# KiCad board interposer.kicad_pcb
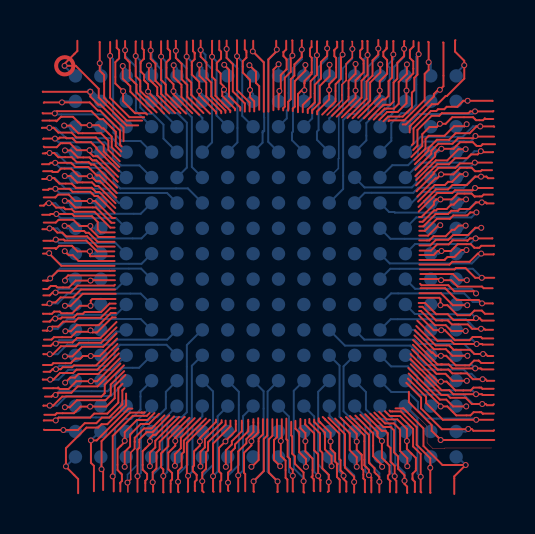
[diagram p0: board, top side]
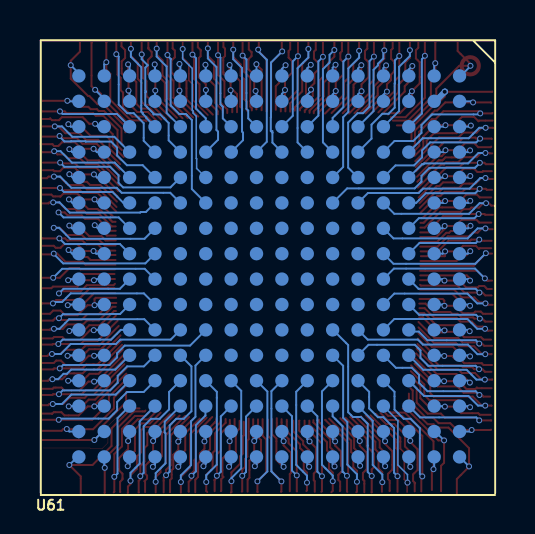
[diagram p1: board, bottom side, seen from below]

No outline. copper layers: Top, Bottom. Coordinates in mm from the lowest, leftmost part position.

## Placement (name value [footprint] x y rotation side)
U61  VL82C420  [BGA-256]  0 0 180 bottom

## Footprints (pads in the part's own frame, mm; a bottom-side part is the same pattern mirrored in y, then rotated)
BGA-256
  round 0.67 smd: A1(9.525,9.525) A2(9.525,8.255) A3(9.525,6.985) A4(9.525,5.715) A5(9.525,4.445) A6(9.525,3.175) A7(9.525,1.905) A8(9.525,0.635) A9(9.525,-0.635) A10(9.525,-1.905) A11(9.525,-3.175) A12(9.525,-4.445) A13(9.525,-5.715) A14(9.525,-6.985) A15(9.525,-8.255) A16(9.525,-9.525) B1(8.255,9.525) B2(8.255,8.255) B3(8.255,6.985) B4(8.255,5.715) B5(8.255,4.445) B6(8.255,3.175) B7(8.255,1.905) B8(8.255,0.635) B9(8.255,-0.635) B10(8.255,-1.905) B11(8.255,-3.175) B12(8.255,-4.445) B13(8.255,-5.715) B14(8.255,-6.985) B15(8.255,-8.255) B16(8.255,-9.525) C1(6.985,9.525) C2(6.985,8.255) C3(6.985,6.985) C4(6.985,5.715) C5(6.985,4.445) C6(6.985,3.175) C7(6.985,1.905) C8(6.985,0.635) C9(6.985,-0.635) C10(6.985,-1.905) C11(6.985,-3.175) C12(6.985,-4.445) C13(6.985,-5.715) C14(6.985,-6.985) C15(6.985,-8.255) C16(6.985,-9.525) D1(5.715,9.525) D2(5.715,8.255) D3(5.715,6.985) D4(5.715,5.715) D5(5.715,4.445) D6(5.715,3.175) D7(5.715,1.905) D8(5.715,0.635) D9(5.715,-0.635) D10(5.715,-1.905) D11(5.715,-3.175) D12(5.715,-4.445) D13(5.715,-5.715) D14(5.715,-6.985) D15(5.715,-8.255) D16(5.715,-9.525) E1(4.445,9.525) E2(4.445,8.255) E3(4.445,6.985) E4(4.445,5.715) E5(4.445,4.445) E6(4.445,3.175) E7(4.445,1.905) E8(4.445,0.635) E9(4.445,-0.635) E10(4.445,-1.905) E11(4.445,-3.175) E12(4.445,-4.445) E13(4.445,-5.715) E14(4.445,-6.985) E15(4.445,-8.255) E16(4.445,-9.525) F1(3.175,9.525) F2(3.175,8.255) F3(3.175,6.985) F4(3.175,5.715) F5(3.175,4.445) F6(3.175,3.175) F7(3.175,1.905) F8(3.175,0.635) F9(3.175,-0.635) F10(3.175,-1.905) F11(3.175,-3.175) F12(3.175,-4.445) F13(3.175,-5.715) F14(3.175,-6.985) F15(3.175,-8.255) F16(3.175,-9.525) G1(1.905,9.525) G2(1.905,8.255) G3(1.905,6.985) G4(1.905,5.715) G5(1.905,4.445) G6(1.905,3.175) G7(1.905,1.905) G8(1.905,0.635) G9(1.905,-0.635) G10(1.905,-1.905) G11(1.905,-3.175) G12(1.905,-4.445) G13(1.905,-5.715) G14(1.905,-6.985) G15(1.905,-8.255) G16(1.905,-9.525) H1(0.635,9.525) H2(0.635,8.255) H3(0.635,6.985) H4(0.635,5.715) H5(0.635,4.445) H6(0.635,3.175) H7(0.635,1.905) H8(0.635,0.635) H9(0.635,-0.635) H10(0.635,-1.905) H11(0.635,-3.175) H12(0.635,-4.445) H13(0.635,-5.715) H14(0.635,-6.985) H15(0.635,-8.255) H16(0.635,-9.525) J1(-0.635,9.525) J2(-0.635,8.255) J3(-0.635,6.985) J4(-0.635,5.715) J5(-0.635,4.445) J6(-0.635,3.175) J7(-0.635,1.905) J8(-0.635,0.635) J9(-0.635,-0.635) J10(-0.635,-1.905) J11(-0.635,-3.175) J12(-0.635,-4.445) J13(-0.635,-5.715) J14(-0.635,-6.985) J15(-0.635,-8.255) J16(-0.635,-9.525) K1(-1.905,9.525) K2(-1.905,8.255) K3(-1.905,6.985) K4(-1.905,5.715) K5(-1.905,4.445) K6(-1.905,3.175) K7(-1.905,1.905) K8(-1.905,0.635) K9(-1.905,-0.635) K10(-1.905,-1.905) K11(-1.905,-3.175) K12(-1.905,-4.445) K13(-1.905,-5.715) K14(-1.905,-6.985) K15(-1.905,-8.255) K16(-1.905,-9.525) L1(-3.175,9.525) L2(-3.175,8.255) L3(-3.175,6.985) L4(-3.175,5.715) L5(-3.175,4.445) L6(-3.175,3.175) L7(-3.175,1.905) L8(-3.175,0.635) L9(-3.175,-0.635) L10(-3.175,-1.905) L11(-3.175,-3.175) L12(-3.175,-4.445) L13(-3.175,-5.715) L14(-3.175,-6.985) L15(-3.175,-8.255) L16(-3.175,-9.525) M1(-4.445,9.525) M2(-4.445,8.255) M3(-4.445,6.985) M4(-4.445,5.715) M5(-4.445,4.445) M6(-4.445,3.175) M7(-4.445,1.905) M8(-4.445,0.635) M9(-4.445,-0.635) M10(-4.445,-1.905) M11(-4.445,-3.175) M12(-4.445,-4.445) M13(-4.445,-5.715) M14(-4.445,-6.985) M15(-4.445,-8.255) M16(-4.445,-9.525) N1(-5.715,9.525) N2(-5.715,8.255) N3(-5.715,6.985) N4(-5.715,5.715) N5(-5.715,4.445) N6(-5.715,3.175) N7(-5.715,1.905) N8(-5.715,0.635) N9(-5.715,-0.635) N10(-5.715,-1.905) N11(-5.715,-3.175) N12(-5.715,-4.445) N13(-5.715,-5.715) N14(-5.715,-6.985) N15(-5.715,-8.255) N16(-5.715,-9.525) P1(-6.985,9.525) P2(-6.985,8.255) P3(-6.985,6.985) P4(-6.985,5.715) P5(-6.985,4.445) P6(-6.985,3.175) P7(-6.985,1.905) P8(-6.985,0.635) P9(-6.985,-0.635) P10(-6.985,-1.905) P11(-6.985,-3.175) P12(-6.985,-4.445) P13(-6.985,-5.715) P14(-6.985,-6.985) P15(-6.985,-8.255) P16(-6.985,-9.525) R1(-8.255,9.525) R2(-8.255,8.255) R3(-8.255,6.985) R4(-8.255,5.715) R5(-8.255,4.445) R6(-8.255,3.175) R7(-8.255,1.905) R8(-8.255,0.635) R9(-8.255,-0.635) R10(-8.255,-1.905) R11(-8.255,-3.175) R12(-8.255,-4.445) R13(-8.255,-5.715) R14(-8.255,-6.985) R15(-8.255,-8.255) R16(-8.255,-9.525) T1(-9.525,9.525) T2(-9.525,8.255) T3(-9.525,6.985) T4(-9.525,5.715) T5(-9.525,4.445) T6(-9.525,3.175) T7(-9.525,1.905) T8(-9.525,0.635) T9(-9.525,-0.635) T10(-9.525,-1.905) T11(-9.525,-3.175) T12(-9.525,-4.445) T13(-9.525,-5.715) T14(-9.525,-6.985) T15(-9.525,-8.255) T16(-9.525,-9.525)

## Nets
GND: U61.A1 U61.A16 U61.C8 U61.C10 U61.F11 U61.H13 U61.J2 U61.K14 U61.P8 U61.T1 U61.T16
32kHz: U61.T10
AEN: U61.G16
BALE: U61.K15
BIOS_CE#: U61.G15
Chipset_CLK: U61.R15
CPU_A2: U61.N7
CPU_A3: U61.T7
CPU_A4: U61.R7
CPU_A5: U61.P7
CPU_A6: U61.N6
CPU_A7: U61.T6
CPU_A8: U61.R6
CPU_A9: U61.P6
CPU_A10: U61.M6
CPU_A11: U61.T5
CPU_A12: U61.R5
CPU_A13: U61.P5
CPU_A14: U61.T4
CPU_A15: U61.R4
CPU_A16: U61.N5
CPU_A17: U61.P4
CPU_A18: U61.T3
CPU_A19: U61.R3
CPU_A20: U61.P3
CPU_A20M#: U61.H3
CPU_A21: U61.T2
CPU_A22: U61.R1
CPU_A23: U61.N4
CPU_A24: U61.P2
CPU_A25: U61.P1
CPU_A31: U61.N3
CPU_ADS#: U61.N2
CPU_AHOLD: U61.L5
CPU_BE0#: U61.L1
CPU_BE1#: U61.L4
CPU_BE2#: U61.K3
CPU_BE3#: U61.K2
CPU_BLAST#: U61.N1
CPU_BRDY#: U61.M3
CPU_D0: U61.E2
CPU_D1: U61.E5
CPU_D2: U61.E3
CPU_D3: U61.D1
CPU_D4: U61.D2
CPU_D5: U61.E4
CPU_D6: U61.D3
CPU_D7: U61.C1
CPU_D8: U61.C2
CPU_D9: U61.C3
CPU_D10: U61.B1
CPU_D11: U61.A2
CPU_D12: U61.D4
CPU_D13: U61.B3
CPU_D14: U61.A3
CPU_D15: U61.C4
CPU_D16: U61.D5
CPU_D17: U61.B4
CPU_D18: U61.A4
CPU_D19: U61.C5
CPU_D20: U61.F6
CPU_D21: U61.B5
CPU_D22: U61.A5
CPU_D23: U61.E6
CPU_D24: U61.C6
CPU_D25: U61.B6
CPU_D26: U61.A6
CPU_D27: U61.D6
CPU_D28: U61.C7
CPU_D29: U61.B7
CPU_D30: U61.A7
CPU_D31: U61.D7
CPU_DC#: U61.H1
CPU_EADS#: U61.H2
CPU_FLUSH#: U61.G1
CPU_HLDA: U61.L3
CPU_HOLD: U61.M1
CPU_INTR: U61.G2
CPU_KEN#: U61.M2
CPU_NMI: U61.G3
CPU_RDY#: U61.L6
CPU_RESET: U61.G4
CPU_SMI#: U61.F2
CPU_SMIACT#: U61.F1
CPU_SRESET: U61.F4
CPU_STPCLK#: U61.E1
CPU_WR#: U61.L2
F65_LDEV#: U61.M4
F65_MIO#: U61.H4
FCD_TC: U61.G13
IOCHRDY: U61.H14
IOCS16#: U61.J16
IOW#_Res: U61.J14
KB_RESET#: U61.N11
KB_SPKDN: U61.T12
LA17: U61.D13
LA18: U61.C15
LA19: U61.C16
LA20: U61.D14
LA21: U61.E13
LA22: U61.D15
LA23: U61.D16
MEMCS16#: U61.J13
MEMR#_res: U61.F13
PCMCIA_CLK: U61.H16
PNET1: U61.A12 U61.B2 U61.B9 U61.B15 U61.J4 U61.K4 U61.M5
PNET7: U61.F14 U61.M14
PS/RCLR#: U61.M11
REFRESH#: U61.E14
RTCBAT: U61.T11
SA0: U61.E15
SA1: U61.E16
SA16: U61.B16
SBHE#: U61.F12
SD0: U61.L13
SD1: U61.L16
SD2: U61.L15
SD3: U61.L14
SD4: U61.L12
SD5: U61.M16
SD6: U61.M15
SD7: U61.M12
SD8: U61.N16
SD9: U61.N15
SD10: U61.M13
SD11: U61.N14
SD12: U61.P16
SD13: U61.P15
SD14: U61.P14
SD15: U61.R16
U22_CS#_NOT: U61.R14
U61_2XCPU_CLK: U61.R2
U61_CPU_CLK: U61.K1
U61_CPU_CLK_33: U61.J3
U61_CPU_CLK_SENS: U61.J1
U61_IOR#: U61.J15
U61_MEMW#: U61.G14
U61_N9_Bowman: U61.N9
U61_N12: U61.N12
U61_P9_Bowman: U61.P9
U61_P13: U61.P13
U61_PullDN_R246: U61.R8
U61_PullDN_R249: U61.N8
U61_PWRGD: U61.R10
U61_R9_Bowman: U61.R9
U61_R13: U61.R13
U61_RAM_A0: U61.C12
U61_RAM_A1: U61.E12
U61_RAM_A2: U61.B12
U61_RAM_A3: U61.E11
U61_RAM_A4: U61.C11
U61_RAM_A5: U61.B11
U61_RAM_A6: U61.A11
U61_RAM_A7: U61.D11
U61_RAM_A8: U61.B10
U61_RAM_A9: U61.A10
U61_RAM_A10: U61.D10
U61_RAM_A11: U61.C9
U61_RAM_LCASL#: U61.D8
U61_RAM_LCASU#: U61.A9
U61_RAM_RAS2: U61.B13
U61_RAM_RAS3: U61.A13
U61_RAM_RAS#: U61.C13
U61_RAM_UCASL#: U61.A8
U61_RAM_UCASU#: U61.D9
U61_RAM_WE#: U61.B8
U61_RESET: U61.N13
U61_RTCBAT_470K: U61.P10
U61_SPKR: U61.T15
U61_T9_Bowman: U61.T9
U61_T13: U61.T13
U61_TP1_T14: U61.T14
VL_A14: U61.A14
VL_A15: U61.A15
VL_B14: U61.B14
VL_C14: U61.C14
VL_D12: U61.D12
VL_E7: U61.E7
VL_E8: U61.E8
VL_E9: U61.E9
VL_E10: U61.E10
VL_F3: U61.F3
VL_F5: U61.F5
VL_F7: U61.F7
VL_F8: U61.F8
VL_F9: U61.F9
VL_F10: U61.F10
VL_F15: U61.F15
VL_F16: U61.F16
VL_G5: U61.G5
VL_G6: U61.G6
VL_G7: U61.G7
VL_G8: U61.G8
VL_G9: U61.G9
VL_G10: U61.G10
VL_G11: U61.G11
VL_G12: U61.G12
VL_H5: U61.H5
VL_H6: U61.H6
VL_H7: U61.H7
VL_H8: U61.H8
VL_H9: U61.H9
VL_H10: U61.H10
VL_H11: U61.H11
VL_H12: U61.H12
VL_J5: U61.J5
VL_J6: U61.J6
VL_J7: U61.J7
VL_J8: U61.J8
VL_J9: U61.J9
VL_J10: U61.J10
VL_J11: U61.J11
VL_J12: U61.J12
VL_K5: U61.K5
VL_K6: U61.K6
VL_K7: U61.K7
VL_K8: U61.K8
VL_K9: U61.K9
VL_K10: U61.K10
VL_K11: U61.K11
VL_K12: U61.K12
VL_K13: U61.K13
VL_K16: U61.K16
VL_L7: U61.L7
VL_L8: U61.L8
VL_L9: U61.L9
VL_L10: U61.L10
VL_L11: U61.L11
VL_M7: U61.M7
VL_M8: U61.M8
VL_M9: U61.M9
VL_M10: U61.M10
VL_N10: U61.N10
VL_R12: U61.R12
VL_RTCOSCI: U61.R11
VL_RTCOSCO: U61.P11
VL_T8: U61.T8
YMF_VSS_Res: U61.P12
ZEROWS#: U61.H15

## Via types
v1: diameter 0.3, hole 0.2, Top to Bottom, 208 vias

## Routing (per net, layer and track width the routed paths; a pad name or vN(x,y) marks a point on that pad's centre or on a via; arc(x,y) is an arc through that point)
GND: length 87.2
  Top w0.1: -11.13,1.28 -10.57,1.28 v1(-10.51,1.34) -10.11,1.34 -10.06,1.29 -8.98,1.29 -8.44,0.75 -7.58,0.75 ; 7.2,6.7 7.2,7 8.31,8.11 8.59,8.11 9,8.52 9.06,8.52 9.93,9.39 v1(9.93,10.06) 9.93,10.28 9.47,10.74 9.47,11.29 9.49,11.31 ; -3.82,-7.57 -4.88,-8.63 -4.88,-8.99 -5.24,-9.35 -5.24,-10.04 -5.13,-10.15 v1(-5.13,-10.48) -5.13,-11.29 -5.12,-11.3 ; 0.64,7.85 0.64,8.58 0.68,8.62 v1(0.68,8.77) 0.75,8.84 0.75,9.57 1.04,9.86 1.04,10.36 0.88,10.52 0.88,10.72 0.89,10.72 1.02,10.85 1.02,11.28 ; -7.51,-1.86 -7.82,-1.86 -8.24,-2.28 -9.06,-2.28 -9.15,-2.37 -9.43,-2.37 -9.61,-2.55 -10.2,-2.55 -10.26,-2.61 v1(-10.54,-2.61) -10.66,-2.61 -10.81,-2.76 -11.14,-2.76 ; 6.49,-7.1 6.89,-7.1 7.89,-8.1 7.89,-8.98 8.84,-9.93 v1(10,-9.93) 9.43,-10.5 9.43,-11.38 ; 7.7,0.79 8.26,0.79 8.57,1.1 9.15,1.1 9.35,1.3 10.07,1.3 10.09,1.28 10.21,1.4 v1(10.5,1.4) 11.33,1.4 11.34,1.41 ; -9.39,-11.34 -9.39,-10.63 -10,-10.02 -10,-9.69 ; -6.39,7.05 -6.96,7.05 -8.36,8.45 -8.36,8.88 -9.51,10.03 v1(-10.07,10.03) -10.07,10.13 -9.43,10.77 -9.43,11.28 ; -6.99,-6.36 -6.99,-6.95 -7.93,-7.89 -8.22,-7.89 -8.39,-8.06 -8.97,-8.06 -10,-9.09 -10,-9.69 ; 2.73,-11.24 2.73,-10.69 2.74,-10.68 2.62,-10.56 v1(2.62,-10.47) 2.62,-9.4 2.42,-9.2 2.42,-8.35 1.96,-7.89 1.97,-7.88 1.97,-7.67 ; 0.07,-7.64 0.07,-8.46 -0.1,-8.63 -0.1,-10.23 -0.61,-10.74 v1(-0.61,-10.75) -0.61,-11.25 -0.59,-11.27 ; -10,-9.69 v1(-10,-10)
  Bottom w0.1: U61.H13 -0.11,-6.24 -0.11,-10.25 v1(-0.61,-10.75) ; 9.53,9.52 9.53,9.66 v1(9.93,10.06) ; v1(-10.54,-2.61) -10.35,-2.42 -7.5,-2.42 -6.98,-1.91 ; -6.98,0.63 -7.52,1.17 -10.34,1.17 v1(-10.51,1.34) ; v1(10,-9.93) 9.59,-9.53 U61.T16 ; -3.17,-3.18 -3.19,-3.18 -3.95,-3.93 -3.95,-7.29 -4.19,-7.53 -4.59,-7.53 -4.93,-7.87 -4.93,-10.28 v1(-5.13,-10.48) ; v1(-10.07,10.03) -10.08,10.02 -9.58,9.52 -9.53,9.52 ; U61.P8 7.47,1.12 10.22,1.12 v1(10.5,1.4) ; U61.K14 2.42,-7.5 2.42,-10.27 v1(2.62,-10.47) ; U61.A16 v1(-10,-10) ; v1(0.68,8.77) 0.64,8.72 0.64,8.25
  Bottom w0.4: 0.62,8.19 0.62,8.28 ; 6.98,0.58 6.98,0.63
(no net): length 5.4
  Top w0.02: 7.25,-7.16 8.07,-7.98 8.07,-8.82 8.36,-9.11 8.93,-9.11 8.96,-9.08 11.28,-9.08 11.29,-9.07
32kHz: length 3.2
  Top w0.1: 7.69,-1.34 8.76,-1.34 9.36,-1.94 v1(10.08,-1.94)
  Bottom w0.1: U61.T10 10.05,-1.91 v1(10.08,-1.94)
AEN: length 3.2
  Top w0.1: v1(-2,-10.02) -2,-9.2 -1.7,-8.9 -1.7,-8.74 -1.2,-8.24 -1.2,-7.71
  Bottom w0.1: U61.G16 -1.91,-9.93 v1(-2,-10.02)
BALE: length 4.5
  Top w0.1: 1.73,-7.63 1.73,-8.08 1.98,-8.33 v1(1.98,-8.74) 1.98,-9.25 2.34,-9.61 2.34,-10.48 2.29,-10.53 2.4,-10.64 2.4,-11.22 2.42,-11.24
  Bottom w0.1: 1.91,-8.26 1.91,-8.67 v1(1.98,-8.74)
BIOS_CE#: length 4.8
  Top w0.1: v1(-2.02,-8.75) -2.01,-8.75 ; v1(-2.02,-8.75) -2.34,-9.07 -2.34,-10.25 -2.23,-10.36 -2.23,-10.69 -2.28,-10.74 -2.28,-11.27 ; v1(-2.02,-8.75) -2.02,-8.73 -1.5,-8.21 -1.5,-7.72 -1.51,-7.71
  Bottom w0.08: -1.91,-8.26 -1.66,-8.26
  Bottom w0.1: v1(-2.02,-8.75) -1.91,-8.64 -1.91,-8.26
Chipset_CLK: length 6.4
  Top w0.1: 7.16,-6.27 7.16,-6.79 8.3,-7.93 8.3,-8.22 8.75,-8.67 v1(8.75,-8.68) 11.43,-8.68
  Bottom w0.1: 8.25,-8.26 8.33,-8.26 v1(8.75,-8.68)
CPU_A2: length 9.1
  Top w0.1: v1(10.78,1.93) 10.48,1.93 10.12,1.57 9.37,1.57 9.13,1.33 8.51,1.33 8.23,1.05 7.69,1.05
  Bottom w0.08: 5.51,1.93 5.7,1.93
  Bottom w0.1: U61.N7 6.24,1.38 9.96,1.38 10.51,1.93 v1(10.78,1.93)
CPU_A3: length 3.2
  Top w0.1: 7.68,1.3 8.18,1.3 8.39,1.51 9,1.51 9.31,1.82 9.31,1.83 9.44,1.83 9.65,2.04 v1(10,2.04)
  Bottom w0.1: U61.T7 9.87,1.91 v1(10,2.04)
CPU_A4: length 1.8
  Top w0.1: v1(8.73,2.06) 8.64,2.06 8.12,1.54 7.68,1.54
  Bottom w0.1: v1(8.73,2.06) 8.58,1.91 U61.R7
CPU_A5: length 7.1
  Top w0.1: v1(10.54,2.7) 10.23,2.7 10.08,2.55 9.38,2.55 9.21,2.38 8.56,2.38 7.96,1.78 7.68,1.78
  Bottom w0.1: v1(10.54,2.7) 10.29,2.45 7.53,2.45 U61.P7
CPU_A6: length 9.7
  Top w0.1: 11.4,3.15 11.05,3.15 11,3.2 v1(10.81,3.2) 10.52,3.2 10.19,2.87 9.7,2.87 9.61,2.78 9.28,2.78 9.12,2.62 8.5,2.62 7.88,2 7.68,2
  Bottom w0.1: U61.N6 6.17,2.72 6.43,2.72 6.46,2.69 9.98,2.69 10.49,3.2 v1(10.81,3.2)
CPU_A7: length 3.4
  Top w0.1: 7.69,2.23 7.85,2.23 8.42,2.8 8.52,2.8 8.59,2.87 9.05,2.87 9.27,3.09 9.4,3.09 9.66,3.35 v1(10.02,3.35)
  Bottom w0.1: v1(10.02,3.35) 9.84,3.17 U61.T6
CPU_A8: length 4.9
  Top w0.1: 7.67,2.47 7.79,2.47 8.41,3.09 8.41,3.23 8.53,3.35 v1(8.74,3.35) 9.31,3.35 9.6,3.64 10.3,3.64 10.45,3.49 10.46,3.5 10.81,3.5 10.9,3.59 11.36,3.59
  Bottom w0.1: U61.R6 8.56,3.17 v1(8.74,3.35)
CPU_A9: length 8
  Top w0.1: 11.36,3.92 v1(10.47,3.92) 10.36,3.81 9.47,3.81 9.33,3.67 8.58,3.67 7.65,2.74
  Bottom w0.1: v1(10.47,3.92) 10.27,3.72 7.84,3.72 7.3,3.17 U61.P6
CPU_A10: length 11.3
  Top w0.1: 11.39,4.41 11.12,4.41 11.04,4.49 v1(10.77,4.49) 10.48,4.49 10.06,4.07 9.34,4.07 9.12,3.85 8.51,3.85 7.92,3.26 7.92,3.25 7.64,2.97
  Bottom w0.1: U61.M6 4.95,3.68 7.38,3.68 7.63,3.93 9.9,3.93 10.46,4.49 v1(10.77,4.49)
CPU_A11: length 3.5
  Top w0.1: 7.62,3.24 8.45,4.07 8.96,4.07 9.12,4.23 9.32,4.23 9.7,4.61 v1(10,4.61)
  Bottom w0.1: v1(10,4.61) 9.84,4.44 U61.T5
CPU_A12: length 5
  Top w0.1: 11.32,4.81 10.82,4.81 10.81,4.82 10.75,4.76 10.47,4.76 10.3,4.93 9.72,4.93 9.39,4.6 v1(8.77,4.6) 8.57,4.4 8.49,4.4 7.58,3.49
  Bottom w0.1: U61.R5 8.62,4.44 v1(8.77,4.6)
CPU_A13: length 8.9
  Top w0.1: 11.37,5.72 11.36,5.71 10.9,5.71 10.85,5.76 v1(10.76,5.76) 10.6,5.6 10.27,5.6 10.08,5.41 9.47,5.41 9.17,5.11 8.58,5.11 7.52,4.05
  Bottom w0.1: v1(10.76,5.76) 10.44,5.76 9.87,5.19 7.73,5.19 U61.P5
CPU_A14: length 3.6
  Top w0.1: v1(10,5.86) 9.64,5.86 9.08,5.3 8.51,5.3 7.53,4.32
  Bottom w0.1: v1(10,5.86) 9.86,5.71 U61.T4
CPU_A15: length 5.6
  Top w0.1: 11.47,6.11 10.85,6.11 10.76,6.02 10.55,6.02 10.36,6.21 9.72,6.21 9.39,5.88 v1(8.79,5.88) 8.68,5.88 8.47,5.67 8.47,5.5 7.48,4.51
  Bottom w0.08: 8.15,5.65 8.24,5.74
  Bottom w0.1: U61.R4 8.62,5.71 v1(8.79,5.88)
CPU_A16: length 10.6
  Top w0.1: 11.42,6.49 10.52,6.49 v1(10.49,6.52) 10.38,6.41 9.62,6.41 9.34,6.13 8.63,6.13 8.28,5.78 8.28,5.63 7.48,4.83
  Bottom w0.1: U61.N5 6.33,5.06 7.12,5.06 7.61,5.55 7.61,5.94 7.91,6.24 9.18,6.24 9.2,6.26 9.91,6.26 9.92,6.25 10.25,6.25 10.49,6.49 v1(10.49,6.52)
CPU_A17: length 9.1
  Top w0.1: 11.43,6.98 11.41,7 v1(10.73,7) 10.54,7 10.2,6.66 9.5,6.66 9.17,6.33 8.56,6.33 8.14,5.91 8.14,5.79 7.46,5.11
  Bottom w0.08: 6.97,5.73 6.97,5.74
  Bottom w0.1: v1(10.73,7) 10.37,7 9.85,6.48 7.75,6.48 U61.P4
CPU_A18: length 4.2
  Top w0.1: v1(10.05,7.11) 9.95,7.01 9.42,7.01 8.94,6.53 8.15,6.53 7.99,6.37 7.99,5.89 7.43,5.33
  Bottom w0.1: v1(10.05,7.11) 9.93,6.98 U61.T3
CPU_A19: length 5.9
  Top w0.1: 11.38,7.37 10.99,7.37 10.96,7.4 10.87,7.31 10.52,7.31 10.37,7.46 9.33,7.46 9,7.13 v1(8.71,7.13) 8.55,6.97 8.19,6.97 7.83,6.61 7.83,6.02 7.28,5.47
  Bottom w0.08: 8.23,7.01 8.24,7.01
  Bottom w0.1: U61.R3 8.56,6.98 v1(8.71,7.13)
CPU_A20: length 9.1
  Top w0.1: 7.37,5.82 7.59,6.04 7.59,6.82 8.3,7.53 8.68,7.53 8.81,7.66 10.14,7.66 10.23,7.75 v1(10.47,7.75) 11.37,7.75 11.39,7.77
  Bottom w0.1: v1(10.47,7.75) 10.34,7.62 7.62,7.62 U61.P3
CPU_A20M#: length 7.7
  Top w0.1: -1.45,11.3 -1.44,11.29 v1(-1.44,10.51) -1.44,8.82 -0.81,8.19 -0.81,7.75
  Bottom w0.1: U61.H3 -1.18,7.53 -1.18,10.25 v1(-1.44,10.51)
CPU_A21: length 6
  Top w0.1: 7.31,6.07 7.39,6.15 7.39,6.9 8.26,7.77 8.53,7.77 8.62,7.86 8.93,7.86 9.05,7.98 9.58,7.98 9.88,8.28 v1(10.1,8.28) 11.34,8.28 11.35,8.27
  Bottom w0.08: 9.5,8.28 9.51,8.28
  Bottom w0.1: U61.T2 10.08,8.25 v1(10.1,8.28)
CPU_A22: length 6.1
  Top w0.1: 8.12,11.23 8.15,11.2 v1(8.15,10.21) 8.15,9.83 7.95,9.63 7.95,8.33 6.92,7.3 6.18,7.3 6.14,7.26
  Bottom w0.08: 8.24,9.55 8.23,9.55 8.23,9.63
  Bottom w0.1: 8.25,9.52 8.25,10.1 v1(8.15,10.21)
CPU_A23: length 11.3
  Top w0.1: 7.65,11.2 v1(7.65,10.61) 7.59,10.55 7.59,9.59 7.43,9.43 7.43,8.81 7.31,8.69 7.31,7.95 6.85,7.49 6.12,7.49 5.89,7.26
  Bottom w0.08: 5.7,5.74 5.86,5.58 5.9,5.58
  Bottom w0.1: v1(7.65,10.61) 7.53,10.49 7.53,8.09 7.1,7.66 6.78,7.66 6.28,7.16 6.28,6.28 U61.N4
CPU_A24: length 5.7
  Top w0.1: 7.39,11.27 7.39,11 7.21,10.82 7.21,10.42 7.38,10.25 7.38,9.65 7.04,9.31 v1(7.04,8.79) 7.04,8.16 6.6,7.72 6.07,7.72 5.67,7.32
  Bottom w0.1: v1(7.04,8.79) 6.99,8.73 U61.P2
CPU_A25: length 4.4
  Top w0.1: 5.4,7.34 5.95,7.89 6.41,7.89 6.65,8.13 6.65,9.22 7.06,9.63 v1(7.06,10.1)
  Bottom w0.08: 6.96,9.64 6.96,9.55 6.97,9.55
  Bottom w0.1: 6.99,9.52 6.99,10.02 v1(7.06,10.1)
CPU_A31: length 9.2
  Top w0.1: 6.94,11.27 6.92,11.25 v1(6.92,10.88) 6.92,10.52 6.58,10.18 6.58,9.38 6.39,9.19 6.39,8.24 6.23,8.08 5.88,8.08 5.16,7.36
  Bottom w0.1: U61.N3 6.15,7.42 6.15,7.45 6.33,7.63 6.33,7.67 6.4,7.74 6.4,9.96 6.92,10.48 v1(6.92,10.88)
CPU_ADS#: length 5.1
  Top w0.1: 4.62,7.43 5.7,8.51 v1(5.7,8.79) 5.7,9.26 6.07,9.63 6.07,10.32 5.88,10.51 5.88,10.72 6.05,10.89 6.05,10.91 6.04,10.92 6.05,10.93 6.05,11.27
  Bottom w0.1: U61.N2 5.72,8.77 v1(5.7,8.79)
CPU_AHOLD: length 11.4
  Top w0.08: 4.31,11.25 4.33,11.23 v1(4.33,10.87) 4.33,10.44 4.02,10.13 4.02,9.3 3.81,9.09 3.81,8.31 3.07,7.57
  Bottom w0.08: v1(4.33,10.87) 4.33,10.38 3.85,9.9 3.85,7.81 3.81,7.77 3.81,7.67 3.65,7.51 3.65,5.4 3.63,5.38 3.63,4.9 U61.L5 2.99,4.26
CPU_BE0#: length 3.3
  Top w0.1: v1(3.19,10.08) 3.19,9.51 2.7,9.02 2.7,8.18 2.32,7.8 2.32,7.66
  Bottom w0.1: v1(3.19,10.08) 3.18,10.06 3.18,9.52
CPU_BE1#: length 9.6
  Top w0.1: 2.1,7.67 2.1,7.85 2.45,8.2 2.45,9.08 2.76,9.39 2.76,10.22 3.07,10.53 v1(3.07,10.9) 3.07,11.24 3.08,11.25
  Bottom w0.1: U61.L4 2.56,6.33 2.56,6.74 2.64,6.82 2.64,9.97 3.07,10.4 v1(3.07,10.9)
CPU_BE2#: length 7.7
  Top w0.1: 1.85,7.71 1.85,8.07 2.24,8.46 2.24,9.26 2.56,9.58 v1(2.56,10.56) 2.56,11.24 2.57,11.25
  Bottom w0.1: U61.K3 2.32,7.4 2.32,7.98 2.44,8.1 2.44,10.44 v1(2.56,10.56)
CPU_BE3#: length 4.7
  Top w0.1: 2.29,11.27 2.29,10.97 2.21,10.89 2.21,10.52 2.3,10.43 2.3,9.72 2.28,9.7 2.29,9.69 2.29,9.62 1.94,9.27 1.94,9.17 1.93,9.16 v1(1.93,8.81) 1.8,8.81 1.61,8.62 1.61,7.71
  Bottom w0.1: U61.K2 1.91,8.78 v1(1.93,8.81)
  Bottom w0.3: 2,8.28 1.89,8.28
CPU_BLAST#: length 4
  Top w0.1: v1(5.73,10.1) 5.73,9.7 5.22,9.19 5.22,8.29 4.34,7.41
  Bottom w0.08: 5.81,9.57 5.72,9.57 5.7,9.55
  Bottom w0.1: 5.72,9.52 5.72,10.08 v1(5.73,10.1)
CPU_BRDY#: length 8.9
  Top w0.1: 4.08,7.42 5.04,8.38 5.04,9.24 5.34,9.54 5.34,10.3 5.63,10.59 v1(5.63,10.89) 5.63,11.32
  Bottom w0.1: U61.M3 5.13,7.67 5.13,9.99 5.63,10.49 v1(5.63,10.89)
CPU_D0: length 4.9
  Top w0.1: -3.68,7.66 -4.62,8.6 v1(-4.62,8.76) -4.62,9.11 -4.97,9.46 -4.97,10.21 -4.79,10.39 -4.79,10.77 -4.91,10.89 -4.91,11.28
  Bottom w0.1: v1(-4.62,8.76) -4.61,8.77 -4.44,8.6 U61.E2
CPU_D1: length 11.1
  Top w0.1: -3.99,7.64 -5,8.65 -5,9.09 -5.24,9.33 v1(-5.24,10.49) -5.24,11.26
  Bottom w0.1: U61.E5 -3.95,4.94 -3.95,7.19 -4.42,7.66 -4.69,7.66 -5.02,7.99 -5.02,10.27 v1(-5.24,10.49)
CPU_D2: length 8.6
  Top w0.1: -5.76,11.24 v1(-5.76,10.8) -5.76,10.38 -5.52,10.14 -5.52,9.28 -5.24,9 -5.24,8.63 -4.27,7.66
  Bottom w0.1: v1(-5.76,10.8) -5.71,10.75 -5.71,10.4 -5.44,10.13 -5.44,10.05 -5.22,9.83 -5.22,7.76 U61.E3
CPU_D3: length 3.5
  Top w0.1: -4.54,7.67 -5.43,8.56 -5.43,8.95 -5.85,9.37 v1(-5.85,10.05)
  Bottom w0.1: v1(-5.85,10.05) -5.72,9.91 -5.72,9.52
CPU_D4: length 5.2
  Top w0.1: -6.18,11.27 -6.18,10.9 -6.1,10.82 -6.1,10.38 -6.26,10.22 -6.26,9.75 -6.09,9.58 -6.09,9.31 -5.89,9.11 v1(-5.89,8.74) -5.89,8.72 -4.82,7.65
  Bottom w0.08: -5.97,8.19 -5.82,8.19 -5.73,8.28
  Bottom w0.1: U61.D2 -5.72,8.58 -5.87,8.74 v1(-5.89,8.74)
CPU_D5: length 10.3
  Top w0.1: -5.09,7.64 -5.94,8.49 -5.99,8.49 -6.28,8.78 -6.28,9.28 -6.51,9.51 v1(-6.51,10.52) -6.51,11.24 -6.5,11.25
  Bottom w0.08: -4.69,5.71 -4.5,5.71 -4.47,5.74
  Bottom w0.1: U61.E4 -5.12,6.39 -5.12,7.09 -5.66,7.63 -5.97,7.63 -6.28,7.94 -6.28,9.15 -6.29,9.16 -6.29,10.3 v1(-6.51,10.52)
CPU_D6: length 8.8
  Top w0.1: -5.46,7.7 -6.47,8.71 -6.47,9.09 -6.81,9.43 -6.81,10.2 -7.04,10.43 v1(-7.04,10.81) -7.04,11.27
  Bottom w0.08: -5.78,7.1 -5.78,7.05 -5.73,7.01
  Bottom w0.1: v1(-7.04,10.81) -7.04,10.52 -6.5,9.98 -6.5,8.4 ; -6.5,8.4 -6.5,8.46 ; -6.5,8.4 -6.5,7.77 U61.D3
CPU_D7: length 3.5
  Top w0.1: v1(-7.16,10.02) -7.16,9.39 -6.78,9.01 -6.78,8.74 -5.71,7.67
  Bottom w0.1: v1(-7.16,10.02) -6.98,9.84 -6.98,9.52
CPU_D8: length 5.7
  Top w0.1: -5.94,7.59 -6.01,7.66 -6.54,7.66 -7.14,8.26 v1(-7.14,8.76) -7.53,9.15 -7.53,10.21 -7.34,10.4 -7.34,10.81 -7.46,10.93 -7.46,11.3
  Bottom w0.08: -7,8.28 -7.1,8.18 -7.25,8.18
  Bottom w0.1: v1(-7.14,8.76) -6.98,8.6 -6.98,8.25
CPU_D9: length 8.8
  Top w0.1: -7.79,11.22 v1(-7.79,10.53) -7.79,8.43 -6.82,7.46 -6.09,7.46
  Bottom w0.1: v1(-7.79,10.53) -7.8,10.54 -7.82,10.54 -7.64,10.36 -7.64,7.64 -6.98,6.98
CPU_D10: length 6.1
  Top w0.1: -8.32,11.22 -8.31,11.21 v1(-8.31,10.16) -8.31,9.79 -8.09,9.57 -8.09,8.43 -6.95,7.29 -6.19,7.29
  Bottom w0.08: -8.34,9.67 -8.34,9.61 -8.28,9.55
  Bottom w0.1: v1(-8.31,10.16) -8.29,10.14 -8.29,10.11 -8.25,10.07 -8.25,9.52
CPU_D11: length 6.2
  Top w0.1: -11.11,8.18 -11.09,8.2 v1(-10.2,8.2) -8.81,8.2 -8.4,7.79 -8.29,7.79 -7.29,6.79 -7.29,6.08 -7.21,6
  Bottom w0.08: -9.54,7.98 -9.54,8.28
  Bottom w0.1: U61.A2 -10.12,8.25 -10.18,8.2 v1(-10.2,8.2)
CPU_D12: length 11.1
  Top w0.1: -11.17,7.67 -11.15,7.65 v1(-10.56,7.65) -10.45,7.76 -8.72,7.76 -8.32,7.36 -8.14,7.36 -7.51,6.73 -7.51,6.03 -7.23,5.75
  Bottom w0.1: U61.D4 -6.27,6.27 -7.21,6.27 -7.62,6.68 -7.62,7.07 -8.15,7.6 -10.51,7.6 v1(-10.56,7.65)
CPU_D13: length 5.7
  Top w0.1: -7.27,5.52 -7.71,5.96 -7.71,6.49 -8.12,6.9 -8.2,6.9 -8.36,7.06 v1(-8.82,7.06) -9.23,7.06 -9.65,7.48 -10.25,7.48 -10.47,7.26 -10.5,7.29 -11.18,7.29
  Bottom w0.1: v1(-8.82,7.06) -8.81,7.06 -8.73,6.98 U61.B3
CPU_D14: length 4.4
  Top w0.1: v1(-10.09,7.04) -9.76,7.04 -9.38,6.66 -8.25,6.66 -7.88,6.29 -7.88,5.83 -7.31,5.26
  Bottom w0.1: v1(-10.09,7.04) -10.07,7.02 -10.06,7.02 -10.03,6.98 U61.A3
CPU_D15: length 9.2
  Top w0.1: -7.33,4.97 -8.11,5.75 -8.11,6.06 -8.5,6.45 -9.48,6.45 -9.72,6.69 -10.38,6.69 -10.62,6.93 v1(-10.83,6.93) -11.19,6.93 -11.2,6.92
  Bottom w0.1: -6.98,5.71 -7.68,6.41 -9.99,6.41 -10.51,6.93 v1(-10.83,6.93)
CPU_D16: length 10.4
  Top w0.1: -11.14,6.37 -11.12,6.39 v1(-10.55,6.39) -10.36,6.39 -10.31,6.44 -10,6.44 -9.97,6.41 -9.68,6.41 -9.48,6.21 -8.75,6.21 -8.47,5.93 -8.47,5.88 -7.35,4.76
  Bottom w0.1: v1(-10.55,6.39) -10.36,6.2 -8.05,6.2 -7.65,5.8 -7.65,5.45 -7.25,5.05 -6.32,5.05 U61.D5
CPU_D17: length 5.3
  Top w0.1: -7.39,4.48 -8.42,5.51 -8.63,5.51 -8.82,5.7 v1(-8.82,5.81) -9.45,5.81 -9.8,6.16 -10.26,6.16 -10.46,5.96 -11.08,5.96 -11.11,5.99
  Bottom w0.08: -8.2,5.66 -8.28,5.74
  Bottom w0.1: v1(-8.82,5.81) -8.72,5.71 U61.B4
CPU_D18: length 4.1
  Top w0.1: v1(-10.05,5.8) -9.75,5.8 -9.4,5.45 -8.82,5.45 -8.67,5.3 -8.48,5.3 -7.41,4.23
  Bottom w0.08: -9.78,5.64 -9.64,5.64 -9.54,5.74
  Bottom w0.1: v1(-10.05,5.8) -9.97,5.71 U61.A4
CPU_D19: length 8.8
  Top w0.1: -11.16,5.65 -11.03,5.65 -11.01,5.67 v1(-10.82,5.67) -10.59,5.67 -10.38,5.46 -9.71,5.46 -9.46,5.21 -8.86,5.21 -8.74,5.09 -8.59,5.09 -7.44,3.94
  Bottom w0.1: -6.98,4.44 -7.65,5.11 -7.72,5.11 -7.76,5.15 -9.95,5.15 -10.47,5.67 v1(-10.82,5.67)
CPU_D20: length 12.8
  Top w0.1: -11.2,5.11 -10.84,5.11 -10.77,5.18 v1(-10.54,5.18) -9.74,5.18 -9.53,4.97 -8.88,4.97 -8.46,4.55 -8.33,4.55 -7.45,3.67
  Bottom w0.1: v1(-10.54,5.18) -10.54,5.17 -10.3,4.93 -8.05,4.93 -8.03,4.91 -8,4.91 -7.62,4.53 -7.62,4.24 -7.28,3.9 -3.9,3.9 U61.F6
CPU_D21: length 4.9
  Top w0.1: -7.48,3.44 -8.3,4.26 -8.49,4.26 -8.74,4.51 v1(-8.8,4.51) -9.36,4.51 -9.74,4.89 -10.25,4.89 -10.42,4.72 -10.66,4.72 -10.7,4.76 -11.14,4.76
  Bottom w0.1: v1(-8.8,4.51) -8.73,4.44 U61.B5